# Altium PCB board_layout.pcbdoc (part 3 of 3)
Units mm, origin at the board's own origin, x right, y up, seen from the top; angles counter-clockwise.
Board outline 92.15 x 89.13 mm, 2 copper layers (Top Layer, Bottom Layer), stack 1.59 mm thick; 164 components, 134 nets, 736 pads, 476 vias.
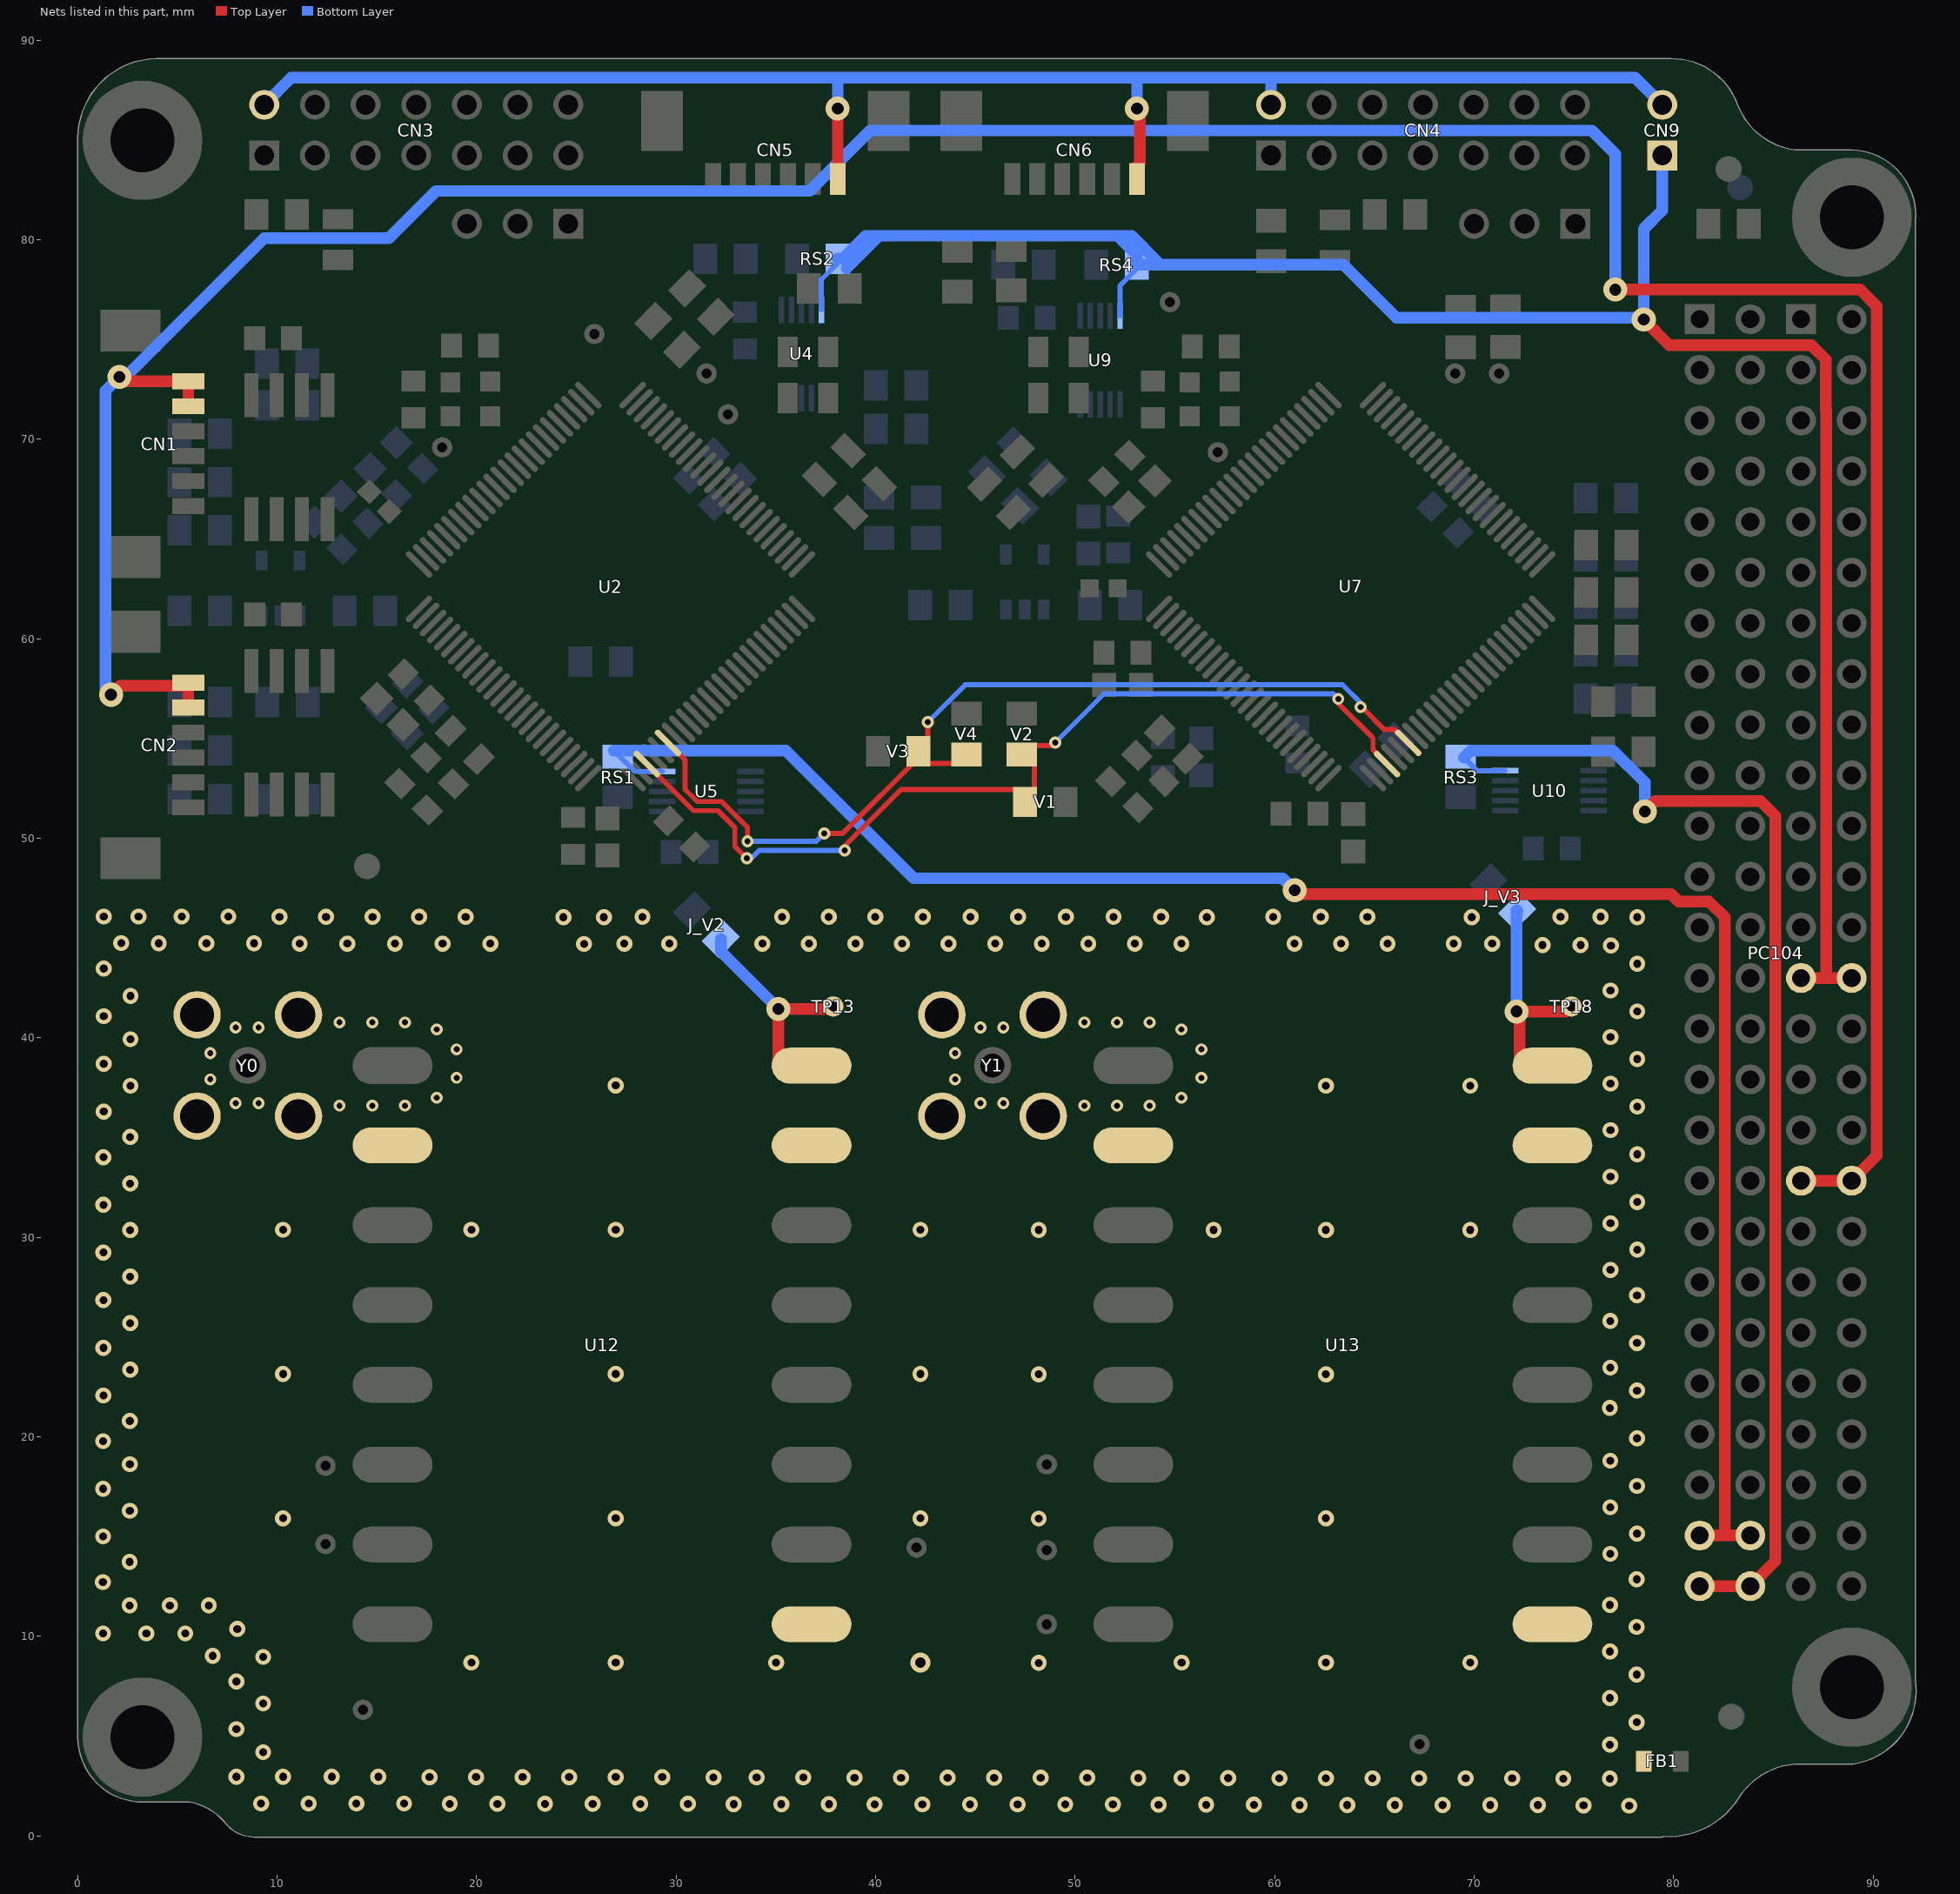
[diagram p3: the nets of this part, all layers, seen from the top]

## Via types
v1: diameter 0.8, hole 0.4, Top Layer to Bottom Layer, tented both sides, 278 vias
v2: diameter 0.6, hole 0.3, Top Layer to Bottom Layer, tented both sides, 181 vias
v3: diameter 1.2, hole 0.6, Top Layer to Bottom Layer, tented both sides, 10 vias
v4: diameter 0.8, hole 0.4, Top Layer to Bottom Layer, 5 vias
v5: diameter 1.016, hole 0.508, Top Layer to Bottom Layer, 1 vias
v6: diameter 0.8, hole 0.4, Top Layer to Bottom Layer, tented top, 1 vias

## Nets (pads, with @x,y where several pads share a name; then routed paths per layer and width w, separated by ;. In a path a pad name is that pad's centre, name@x,y a point inside that pad or via, vN(x,y) a via of type N, cw(c..) or ccw(c..) an arc to the next point about the centre after c; other vN are vias at no path point) (continued)
RF_GND: FB1.2 U12.2 U12.8 U12.15 U13.2 U13.8 U13.15 Y0.2 Y1.2
  other v1: 75.48,1.535 77.77,1.52 54.182,1.565 56.57,1.565 58.958,1.565 61.248,1.55 63.637,1.55 66.025,1.55 68.413,1.55 70.802,1.55 73.19,1.55 39.95,1.58 42.338,1.58 44.727,1.58 47.115,1.58 49.503,1.58 51.892,1.58 18.652,1.61 21.04,1.61 23.428,1.61 25.817,1.61 28.205,1.61 30.593,1.61 32.883,1.595 35.272,1.595 37.66,1.595 9.197,1.625 11.585,1.625 13.973,1.625 16.362,1.625 74.467,2.875 53.168,2.905 55.337,2.905 57.67,2.905 60.235,2.89 62.568,2.89 64.902,2.89 67.235,2.89 69.568,2.89 71.902,2.89 31.87,2.935 34.038,2.935 36.372,2.935 38.937,2.92 41.27,2.92 43.603,2.92 45.937,2.92 48.27,2.92 50.603,2.92 17.638,2.95 19.972,2.95 22.305,2.95 24.638,2.95 26.972,2.95 29.305,2.95 10.297,2.965 12.74,2.965 15.073,2.965 9.303,4.198 76.805,4.577 7.963,5.353 78.145,5.7 9.303,6.642 76.805,6.91 7.963,7.742 78.145,8.088 48.175,8.675 19.74,8.69 26.972,8.69 35.012,8.69 55.337,8.69 62.568,8.69 69.8,8.69 9.303,8.975 6.775,9.025 76.805,9.243 1.275,10.15 3.45,10.15 5.4,10.15 8,10.375 78.145,10.477 2.605,11.55 4.625,11.55 6.575,11.55 76.805,11.577 1.265,12.722 78.145,12.865 2.605,13.735 76.82,14.142 1.28,15.012 78.16,15.155 48.175,15.907 10.297,15.922 26.972,15.922 42.243,15.922 62.568,15.922 2.62,16.3 76.82,16.475 1.28,17.4 78.16,17.543 2.62,18.633 76.82,18.808 1.28,19.788 78.16,19.932 2.62,20.802 76.8,21.45 1.295,22.078 78.16,22.32 10.297,23.153 26.972,23.153 42.243,23.153 48.175,23.138 62.568,23.138 2.635,23.367 76.82,23.475 1.295,24.467 78.16,24.708 2.635,25.7 76.82,25.808 1.295,26.855 78.16,27.097 2.635,28.033 76.835,28.373 1.295,29.243 78.175,29.387 2.635,30.367 10.297,30.385 19.74,30.385 26.972,30.385 42.243,30.385 48.175,30.37 56.935,30.37 62.568,30.37 69.8,30.37 76.835,30.707 1.295,31.632 78.175,31.775 2.635,32.7 76.835,33.04 1.295,34.02 78.175,34.163 2.635,35.033 76.835,35.373 1.31,36.31 78.175,36.552 2.65,37.598 62.568,37.602 69.8,37.602 26.972,37.617 76.835,37.707 1.31,38.698 78.175,38.94 2.65,39.932 76.835,40.04 1.31,41.087 78.175,41.328 2.65,42.1 76.835,42.373 1.31,43.475 78.175,43.717 76.85,44.625 73.425,44.65 75.335,44.65 25.385,44.71 4.065,44.74 6.453,44.74 8.842,44.74 11.132,44.725 13.52,44.725 15.908,44.725 18.297,44.725 20.685,44.725 27.4,44.725 29.657,44.725 34.323,44.725 36.657,44.725 38.99,44.725 41.323,44.725 43.657,44.725 45.99,44.725 48.323,44.725 50.657,44.725 52.99,44.725 55.323,44.725 60.99,44.725 63.323,44.725 65.657,44.725 68.975,44.725 70.9,44.725 2.187,44.75 10.118,46.065 12.452,46.065 14.785,46.065 17.118,46.065 19.452,46.065 24.35,46.05 26.375,46.05 28.313,46.065 35.313,46.065 37.647,46.065 39.98,46.065 42.368,46.065 44.757,46.065 47.145,46.065 49.533,46.065 51.922,46.065 54.31,46.065 56.6,46.05 59.922,46.065 62.31,46.065 64.643,46.065 69.875,46.05 78.175,46.05 1.31,46.083 3.052,46.08 5.22,46.08 7.553,46.08 74.325,46.07 76.335,46.07
  other v2: 13.128,36.605 14.768,36.605 16.408,36.605 50.458,36.605 52.098,36.605 53.738,36.605 7.92,36.725 9.07,36.725 45.25,36.725 46.4,36.725 17.995,37 55.325,37 6.65,37.92 43.98,37.92 18.995,38 56.325,38 6.65,39.24 43.98,39.24 18.995,39.425 56.325,39.425 17.995,40.425 55.325,40.425 7.92,40.525 9.07,40.525 45.25,40.525 46.4,40.525 13.128,40.775 14.768,40.775 16.408,40.775 50.458,40.775 52.098,40.775 53.738,40.775
  other v4: 76.8,2.875 7.963,2.965
  other v5: 42.243,8.69
VCC_3V3_ANT: CN1.1 CN1.2 CN2.1 CN2.2 PC104.H2-35 PC104.H2-36 | length 174.7
  Top Layer w0.584: v3(1.675,57.2) 2.125,57.65 5.4,57.65 CN2.1@5.55,57.8 CN2.2@5.55,56.55 ; v3(2.1,73.125) 1.92,73.125 2.1,72.945 2.1,72.902 CN1.1@5.55,72.902 CN1.2@5.55,71.652 ; v3(77.075,77.5) 89.35,77.5 90.18,76.67 90.18,72.713 90.18,34.1 PC104.H2-36@88.92,32.84 PC104.H2-35@86.38,32.84
  Bottom Layer w0.254: PC104.H2-35@86.257,32.843 PC104.H2-35@86.39,32.843
  Bottom Layer w0.584: v3(1.675,57.2) 1.402,57.473 1.402,72.427 v3(2.1,73.125) 2.4,73.125 9.35,80.075 15.6,80.075 17.97,82.445 36.7,82.445 39.73,85.475 42.45,85.475 75.9,85.475 77.075,84.3 v3(77.075,77.5)
VCC_3V3_JTAG: CN3.2 CN4.2 CN5.1 CN6.1 CN9.2 | length 82.7
  Top Layer w0.584: CN5.1@38.1,83.095 v3(38.1,86.575) ; CN6.1@53.1,83.095 53.1,83.7 53.25,83.85 53.25,86.425 v3(53.1,86.575)
  Bottom Layer w0.254: 53.05,88.125 53.1,88.075
  Bottom Layer w0.584: CN3.2@9.355,86.765 10.715,88.125 53.05,88.125 59.815,88.125 ; v3(38.1,86.575) 38.1,88.075 ; v3(53.1,86.575) 53.1,88.075 ; CN4.2@59.815,86.765 59.815,88.125 ; CN9.2@79.425,86.765 78.065,88.125 59.815,88.125
VCC_3V3_TTC: CN9.1 PC104.H2-27 PC104.H2-28 RS2.2 RS4.2 U4.10 U9.10 | length 105.7
  Top Layer w0.584: v3(78.5,76) 79.775,74.725 86.896,74.725 87.625,73.996 87.625,71.456 87.64,71.441 87.64,70.475 87.64,43.01 87.65,43 ; PC104.H2-27@86.38,43 87.65,43 ; PC104.H2-28@88.92,43 87.65,43
  Bottom Layer w0.254: U4.10@37.275,76.488 37.275,78 38.091,78.816 RS2.2@38.091,79.05 ; U9.10@52.25,76.188 52.25,77.7 53.091,78.541 RS4.2@53.091,78.75
  Bottom Layer w0.584: RS2.2@38.091,79.05 38.35,79.05 39.5,80.2 52.125,80.2 ; RS2.2@38.541,78.575 40.158,80.192 ; 54.141,78.884 52.825,80.2 52.125,80.2 ; CN9.1@79.425,84.225 79.425,81.475 78.5,80.55 v3(78.5,76) 78.405,76.095 66.105,76.095 63.45,78.75 RS4.2@53.091,78.75 53.091,79.234 52.125,80.2
VCC_5V_RA_0: PC104.H1-49 PC104.H1-50 RS1.2 U5.10 | length 95.5
  Top Layer w0.584: v3(61,47.4) 61.195,47.205 79.874,47.205 80.244,46.835 81.766,46.835 82.56,46.041 82.56,15.07 82.57,15.06 ; PC104.H1-49@81.3,15.06 82.57,15.06 ; PC104.H1-50@83.84,15.06 82.57,15.06
  Bottom Layer w0.254: RS1.2@26.875,54.4 27.925,53.35 U5.10@29.312,53.35
  Bottom Layer w0.584: RS1.2@26.875,54.4 35.5,54.4 41.9,48 60.4,48 v3(61,47.4)
VCC_6V_RA_1: PC104.H1-51 PC104.H1-52 RS3.2 U10.10 | length 62.4
  Top Layer w0.584: v3(78.55,51.35) 79.065,51.865 84.356,51.865 85.1,51.121 85.1,50.925 85.1,13.78 PC104.H1-52@83.84,12.52 PC104.H1-51@81.3,12.52
  Bottom Layer w0.254: RS3.2@69.48,54.046 70.135,53.39 U10.10@71.556,53.39
  Bottom Layer w0.584: RS3.2@69.48,54.046 69.831,54.397 76.953,54.397 78.55,52.8 v3(78.55,51.35)
VCC_RA_0: J_V2.1 TP13.1 U12.1 | length 11.9
  Top Layer w0.254: U12.1@35.1,38.875 35.365,38.61 U12.1@36.79,38.61 ; TP13.1@37.75,41.45 TP13.1@37.875,41.575
  Top Layer w0.584: U12.1@35.1,38.875 35.125,38.9 v3(35.125,41.45) TP13.1@37.75,41.45
  Bottom Layer w0.584: J_V2.1@32.243,44.957 32.243,44.332 v3(35.125,41.45)
VCC_RA_1: J_V3.1 TP18.1 U13.1 | length 12.5
  Top Layer w0.584: U13.1@73.92,38.61 72.275,38.61 72.275,41.175 v3(72.125,41.325) 74.575,41.325 TP18.1@74.875,41.625
  Bottom Layer w0.584: v3(72.125,41.325) 72.125,46.409 J_V3.1@72.178,46.357
VERSION_BIT0: U2.28 U7.28 V1.1 V2.2 | length 48.7
  Top Layer w0.254: U2.28@28.531,53.722 30.865,51.388 32.095,51.388 32.945,50.538 32.945,49.589 33.534,49 v2(33.55,49) ; v2(38.45,49.4) 38.45,49.625 41.275,52.45 47.1,52.45 47.331,52.219 47.331,51.981 V1.1@47.487,51.825 47.95,51.362 V2.2@47.95,54.209 ; V2.2@47.325,54.209 V2.2@47.95,54.209 ; v2(49,54.8) 48.85,54.65 47.95,54.65 V2.2@47.95,54.209 ; v2(63.187,56.988) 63.187,56.763 64.925,55.025 64.925,54.447 65.63,53.742 U7.28@65.63,53.722
  Bottom Layer w0.254: v2(33.55,49) 33.775,49 34.168,49.393 37.214,49.393 37.221,49.4 v2(38.45,49.4) ; v2(49,54.8) 51.447,57.247 62.928,57.247 v2(63.187,56.988)
VERSION_BIT1: U2.31 U7.31 V3.1 V4.2 | length 49.8
  Top Layer w0.254: v2(33.575,49.85) 33.575,50.554 32.284,51.845 31.054,51.845 30.45,52.449 30.45,53.924 30.231,54.143 ; v2(37.425,50.25) 38.35,50.25 42.141,54.041 V3.1@42.141,54.371 42.616,54.846 v2(42.616,55.825) ; V3.1@42.616,54.321 42.296,54.216 42.296,54.004 42.55,53.75 44.091,53.75 V4.2@44.55,54.209 ; v2(64.303,56.578) 64.368,56.578 65.495,55.45 66.023,55.45 U7.31@66.69,54.782 ; 30.231,54.143 U2.31@29.591,54.782 29.619,54.782 30.231,54.171 30.231,54.143
  Bottom Layer w0.254: v2(33.575,49.85) 37.025,49.85 v2(37.425,50.25) ; v2(42.616,55.825) 44.495,57.704 63.396,57.704 64.303,56.797 v2(64.303,56.578)
pads on no net: CN1.0 CN2.0 CN3.3 CN3.4 CN3.5 CN3.6 CN3.8 CN3.10 CN3.11 CN3.13 CN4.3 CN4.4 CN4.5 CN4.6 CN4.8 CN4.10 CN4.11 CN4.13 CN5.0 CN6.0 FD1.FD0 FD2.FD0 FD3.FD0 FD4.FD0 FD5.FD0 FD6.FD0 MEC1.0 MEC2.0 MEC3.0 PC104.H1-1 PC104.H1-2 PC104.H1-3 PC104.H1-4 PC104.H1-5 PC104.H1-6 PC104.H1-8 PC104.H1-11 PC104.H1-13 PC104.H1-14 PC104.H1-15 PC104.H1-16 PC104.H1-18 PC104.H1-21 PC104.H1-22 PC104.H1-23 PC104.H1-24 PC104.H1-25 PC104.H1-26 PC104.H1-27 PC104.H1-28 PC104.H1-33 PC104.H1-34 PC104.H1-36 PC104.H1-38 PC104.H1-41 PC104.H1-42 PC104.H1-43 PC104.H1-44 PC104.H1-45 PC104.H1-46 PC104.H1-47 PC104.H1-48 PC104.H2-1 PC104.H2-2 PC104.H2-3 PC104.H2-4 PC104.H2-6 PC104.H2-9 PC104.H2-10 PC104.H2-15 PC104.H2-16 PC104.H2-17 PC104.H2-19 PC104.H2-21 PC104.H2-23 PC104.H2-24 PC104.H2-25 PC104.H2-26 PC104.H2-33 PC104.H2-34 PC104.H2-37 PC104.H2-38 PC104.H2-39 PC104.H2-40 PC104.H2-41 PC104.H2-43 PC104.H2-44 PC104.H2-45 PC104.H2-46 PC104.H2-47 PC104.H2-48 PC104.H2-49 PC104.H2-50 PC104.H2-51 PC104.H2-52 U2.1 U2.2 U2.3 U2.4 U2.5 U2.6 U2.7 U2.8 U2.16 U2.23 U2.24 U2.29 U2.30 U2.32 U2.33 U2.34 U2.36 U2.37 U2.38 U2.39 U2.40 U2.41 U2.58 U2.59 U2.62 U2.76 U2.77 U2.78 U2.79 U2.80 U2.81 U2.82 U2.86 U2.87 U2.92 U2.93 U2.94 U2.95 U2.99 U2.100 U4.3 U7.3 U7.4 U7.5 U7.6 U7.7 U7.8 U7.16 U7.23 U7.24 U7.29 U7.30 U7.32 U7.33 U7.34 U7.36 U7.37 U7.38 U7.39 U7.40 U7.41 U7.49 U7.50 U7.51 U7.52 U7.58 U7.59 U7.62 U7.76 U7.77 U7.78 U7.79 U7.80 U7.81 U7.82 U7.86 U7.87 U7.92 U7.93 U7.94 U7.95 U9.3 U12.3 U12.4 U12.14 U13.3 U13.4 U13.14
copper on no net: | length 16.6
  Top Layer w0.2: 1.725,79.35 1.9,79.35 ; 1.725,80.175 1.9,80.35 1.9,79.35 ; 2.075,79.35 1.9,79.35 ; 1.125,79.05 2.625,79.05 2.625,80.65 1.125,80.65 1.125,79.05
  Bottom Layer w0.2: 3.425,80.175 3.6,80.35 3.925,80.35 4.075,80.2 4.075,80 3.425,79.35 4.075,79.35 ; 3.025,79.05 4.525,79.05 4.525,80.65 3.025,80.65 3.025,79.05

## Polygon pours and split planes (outlines as drawn)
GND on Bottom Layer "Bottom Layer-GND" (solid, pour order 77): 79.65,47.693 79.672,-0.026 ccw(c79.614,4.421) 83.378,2.052 ccw(c83.3,2.103) 83.386,2.066 cw(c86.386,0.141) 86.378,3.706 88.576,3.706 ccw(c88.577,7.256) 92.127,7.238 ccw(c92.011,7.281) 92.134,7.282 92.134,81.119 ccw(c89.933,81.172) 92.135,81.183 ccw(c88.784,81.182) 88.847,84.533 86.466,84.533 cw(c86.509,88.098) 83.212,86.742 ccw(c83.103,86.723) 83.205,86.764 83.077,87.101 ccw(c80.159,85.985) 80.118,89.108 3.931,89.108 ccw(c4.046,85.032) -0.026,84.814 -0.026,47.693
RF_GND on Bottom Layer "Bottom Layer-RF_GND" (solid, pour order 53): 78.8,-0.028 78.8,46.7 0.028,46.7 0.028,4.991 ccw(c3.275,4.975) 3.371,1.729 5.239,1.729 cw(c5.181,-1.198) 7.329,0.791 ccw(c8.979,2.043) 9.028,-0.028
RA_1_VREF_MCU on Bottom Layer "Bottom Layer-RA_1_VREF_MCU 4" (solid, pour order 69): 57.075,54.35 53.65,54.35 53.65,56.975 57.075,56.975
RA_0_VREF_MCU on Bottom Layer "Bottom Layer-RA_0_VREF_MCU_5" (solid, pour order 73): 19.495,56.395 19.05,55.95 18.525,55.95 16.763,54.188 15.4,55.55 18.6,58.75 18.6,59.125 18.95,59.125 19.525,58.55 19.525,57.5
no net on Bottom Layer "Bottom Layer-No Net 4" (solid, pour order 97): 19.55,56.375
RA_1_VREF_MCU on Bottom Layer "Bottom Layer-RA_1_VREF_MCU 3" (solid, pour order 67): 48.75,63.675 48.75,64.425 49.7,65.375 54.4,65.375 54.4,66.025 53.275,67.15 50,67.15 47.2,64.35 47.2,63.675
RA_0_VREF_MCU on Bottom Layer "Bottom Layer-RA_0_VREF_MCU 2" (solid, pour order 65): 27.725,49.6 27.725,50.875 28.325,51.475 30.25,51.475 30.75,50.975 30.75,48.607 31.228,48.128 30.212,47.113
no net on Bottom Layer "Bottom Layer-No Net" (solid, pour order 95): 27.625,50.25
no net on Bottom Layer "Bottom Layer-No Net 1" (solid, pour order 93): 30.025,48.15
no net on Bottom Layer "Bottom Layer-No Net 2" (solid, pour order 91): 30.275,48.05
RA_0_VREF_MCU on Bottom Layer "Bottom Layer-RA_0_VREF_MCU 1" (solid, pour order 61): 10.582,63.293 13.713,63.288 14.791,64.366 11.766,67.391 10.175,65.8 10.175,63.7
RA_0_VREF_MCU on Bottom Layer "Bottom Layer-RA_0_VREF_MCU" (solid, pour order 75): 32.85,75.85 30.218,78.482 29.468,78.482 28.675,79.275 29.342,79.942 32.133,79.942 32.65,79.425 32.65,78.075 34.625,78.075 35.425,77.275 35.425,75.85
RA_1_VREF_MCU on Bottom Layer "Bottom Layer-RA_1_VREF_MCU 2" (solid, pour order 59): 68.016,65.309 70.801,68.093 70.801,69.747 68.447,69.747 66.012,67.312
RA_1_VREF_MCU on Bottom Layer "Bottom Layer-RA_1_VREF_MCU" (solid, pour order 71): 6.5,51.175 6.5,57.915 7.385,58.8 9.125,58.8 10.2,57.725 10.2,51.175
RA_1_VREF_MCU on Bottom Layer "Bottom Layer-RA_1_VREF_MCU 1" (solid, pour order 57): 50.55,74.9 48.3,74.9 47.5,75.7 47.5,77.125 46.425,78.2 46.425,79.5 47.45,79.5 47.45,77.875 47.75,77.575 49.075,77.575 49.075,77.1 49.475,76.7 50.4,76.7 50.4,75.525 50.55,75.375
GND on Top Layer "Top Layer-GND" (solid, remove dead copper, pour order 89): 79.65,47.693 79.672,-0.026 ccw(c79.614,4.421) 83.378,2.052 ccw(c83.3,2.103) 83.386,2.066 cw(c86.386,0.141) 86.378,3.706 88.576,3.706 ccw(c88.577,7.256) 92.127,7.238 ccw(c92.011,7.281) 92.134,7.282 92.134,81.119 ccw(c89.933,81.172) 92.135,81.183 ccw(c88.784,81.182) 88.847,84.533 86.466,84.533 cw(c86.509,88.098) 83.212,86.742 ccw(c83.103,86.723) 83.205,86.764 83.077,87.101 ccw(c80.159,85.985) 80.118,89.108 3.931,89.108 ccw(c4.046,85.032) -0.026,84.814 -0.026,47.693
RF_GND on Top Layer "Top Layer-RF_GND" (solid, pour order 44): 78.8,-0.028 78.8,46.7 0.028,46.7 0.028,4.991 ccw(c3.275,4.975) 3.371,1.729 5.239,1.729 cw(c5.181,-1.198) 7.329,0.791 ccw(c8.979,2.043) 9.028,-0.028
RA_0_VREF_MCU on Top Layer "Top Layer-RA_0_VREF_MCU 1" (solid, pour order 85): 18.5,57.025 19.9,57.025 20.275,57.4 20.125,57.55 19.725,57.55 19.525,57.75 19.525,58 18.337,59.187 15.15,56 16.312,54.837
RA_0_VREF_MCU on Top Layer "Top Layer-RA_0_VREF_MCU" (solid, pour order 83): 28.275,49.55 28.45,49.725 28.45,50.2 27.45,51.2 27.456,51.631 26.584,52.503 26.584,55.034 27.862,56.312 27.6,56.575 27.1,56.575 26.9,56.375 26.9,55.875 25.612,54.588 26.05,54.15 26.05,53.775 25.375,53.075 24.05,51.75 24.05,50.375 26.9,50.375 27.725,49.55
RA_1_VREF_MCU on Top Layer "Top Layer-RA_1_VREF_MCU 2" (solid, pour order 79): 54.375,65.6 57.275,68.5 56.825,68.5 54.975,70.35 52.575,70.35 51.455,69.23 51.455,68.945 53.7,66.7 53.7,65.752
RA_1_VREF_MCU on Top Layer "Top Layer-RA_1_VREF_MCU 1" (solid, pour order 87): 61.625,50.625 61.625,52.15 63.15,53.675 63.7,53.675 66.262,51.112 66.025,50.875 65.075,50.875 64.825,50.625
RA_1_VREF_MCU on Top Layer "Top Layer-RA_1_VREF_MCU" (solid, pour order 81): 56.05,56.1 55.25,56.1 54.3,57.05 52.475,57.05 52.475,60.15 53.925,60.15 57,57.075 57,57.05
ESD on Top Layer "Top Layer-ESD" (solid, pour order 42): 83.18,84.505 83.18,80.025 84.945,80.025 86.949,78.021 92.114,78.021 92.114,81.461 89.07,84.505

## Keep-outs
Keep-Out Layer:
  lines w0.2: 1.125,79.05 4.425,79.05 4.425,80.65 1.125,80.65 1.125,79.05
  lines w0.254: 0.134,85.078 0.134,4.928 ccw(c3.259,4.953) 3.284,1.828 5.609,1.828 cw(c5.115,-1.211) 7.566,0.653 ccw(c8.839,1.762) 8.859,0.074 79.382,0.074 ; 0.138,85.001 cw(c4.013,85.078) 3.936,88.952 ; 3.959,88.953 79.859,88.953 cw(c79.912,85.581) 83.084,86.728 ccw(c86.54,88.048) 86.071,84.378 88.909,84.378 cw(c88.837,81.206) 92.009,81.133 ; 79.411,0.103 ccw(c79.724,4.16) 83.159,1.978 cw(c86.356,-0.046) 86.084,3.728 88.984,3.728 ccw(c88.451,7.264) 91.987,7.798 91.987,81.206

## Other copper
Top Layer:
  text "'.Layer_Name'" at 159.261,-31.738 h2.5
Bottom Layer:
  text "'.Layer_Name'" at 159.261,-31.738 h2.5

## Silkscreen, mask and mechanical layers (free items; w line width, h text height)
Top Overlay:
  drawing of 982 lines, arcs and shapes, not listed
  text "JTAG0" at 27.15,82.375 h0.81
  text "JTAG1" at 53.95,82.375 h0.81
  text "GND" at 31.4,81.821 h0.81 r270
  text "RX" at 32.72,81.821 h0.81 r270
  text "TX" at 33.971,81.821 h0.81 r270
  text "TCK" at 35.223,81.821 h0.81 r270
  text "TDO" at 36.474,81.821 h0.81 r270
  text "VCC" at 37.725,81.821 h0.81 r270
  text "RX" at 47.67,81.821 h0.81 r270
  text "TX" at 48.921,81.821 h0.81 r270
  text "TCK" at 50.173,81.821 h0.81 r270
  text "TDO" at 51.424,81.821 h0.81 r270
  text "VCC" at 52.675,81.821 h0.81 r270
  text "GND" at 44.975,81.008 h0.81
  text "GND" at 18.325,78.3 h0.81
  text "RX" at 21.375,78.3 h0.81
  text "TX" at 23.875,78.3 h0.81
  text "GND" at 69.05,78.325 h0.81
  text "RX" at 72.1,78.325 h0.81
  text "TX" at 74.6,78.325 h0.81
  text "3V3R0" at 7.925,78.25 h0.81
  text "3V3R1" at 62.225,76.925 h0.81
  text "GND" at 13.95,76.25 h0.81
  text "ANT0" at 4.633,75.752 h0.81
  text "DOWN" at 38.6,74.45 h0.81
  text "DOWN" at 44.175,74.45 h0.81
  text "VCC" at 5.175,73.783 h0.81
  text "SDA" at 6.775,72.283 h0.81 r270
  text "UP" at 38.6,72.225 h0.81
  text "UP" at 45.8,72.225 h0.81
  text "SYS" at 44.175,71 h0.81 r315
  text "SYS" at 40.025,69.475 h0.81 r45
  text "SCL" at 6.775,69.333 h0.81 r270
  text "FAULT" at 43.35,67 h0.81 r315
  text "GND" at 5.175,64.983 h0.81
  text "FAULT" at 39.65,64.35 h0.81 r45
  text "ANT1" at 4.633,60.65 h0.81
  text "VCC" at 5.175,58.675 h0.81
  text "SDA" at 6.775,57.175 h0.81 r270
  text "SCL" at 6.775,54.225 h0.81 r270
  text "MCU_RA0" at 29.55,51.8 h0.81 r45
  text "MCU_RA1" at 66.65,51.775 h0.81 r45
  text "GND" at 5.175,49.875 h0.81
  text "GND" at 18.775,48.65 h0.81
  text "RADIO 0" at 23.1,44.575 h0.81
  text "RADIO 1" at 61,44.575 h0.81
  text "GND" at 91.5,39.13 h0.75 r90
  text "GND" at 79.52,38.99 h0.75 r90
  text "TTC2 v0.1" at 11.118,11.971 h0.81 r90
  text "RF_GND" at 43.25,8.3 h0.81
  text "GND" at 81.2,7.825 h0.81
  text "RF_GND" at 9.05,2.55 h0.81
  text "RF_GND" at 71.3,2.45 h0.81
  text "'.Layer_Name'" at 159.261,-31.738 h2.5
Bottom Overlay:
  circle w0.254: c11.5,3.765 r0.785
  circle w0.254: c11.5,3.765 r0.035
  region: 11,5.79 11.5,6.29 12,5.79
  region: 13.525,4.265 14.025,3.765 13.525,3.265
  lines w0.2: 74.25,88.225 80.725,88.225 ; 80.725,88.225 80.725,82.7 76.95,82.7 68.1,82.7 58.45,82.7 58.45,88.225 80.725,88.225 ; 7.99,82.7 7.99,88.225 23.79,88.225 26.175,88.225 26.175,82.7 17.64,82.7 7.99,82.7 ; 18.15,79.55 26.15,79.55 26.15,82.075 18.15,82.075 18.15,79.55 ; 68.575,79.55 68.575,82.075 76.525,82.075 76.525,79.55 68.575,79.55
  lines w0.254: 11,5.915 11.5,6.415 ; 11.5,4.55 11.5,6.415 ; 12,5.915 11.5,6.415 ; 12.285,3.765 14.15,3.765 ; 13.65,3.265 14.15,3.765 ; 13.65,4.265 14.15,3.765 ; 70.1,72.075 85.31,72.075 ; 78.875,66.95 82.7,66.95 ; 78.88,51.7 82.805,51.7 84.93,51.7 84.93,54.04 84.93,54.275 82.805,54.275 82.805,51.765 ; 86.328,83.193 ccw(c88.925,81.132) 89.207,77.829 ; 82.7,66.95 82.7,62.265 84.925,62.265 84.925,66.95 82.7,66.95 ; 85.31,72.075 87.46,72.075 87.46,67.31 85.31,67.31 85.31,72.075 ; 4.225,34.325 4.225,42.9 12.9,42.9 12.9,34.325 4.225,34.325 ; 41.555,34.325 50.23,34.325 50.23,42.9 41.555,42.9 41.555,34.325 ; 80.18,52.15 80.18,56.815 82.355,56.815 82.355,52.15 80.18,52.15 ; 80.25,26.645 80.25,33.925 82.375,33.925 82.375,28.87 84.85,28.87 84.85,26.645 80.25,26.645 ; 80.28,11.445 80.28,13.595 84.855,13.595 84.855,11.445 80.28,11.445 ; 80.28,13.985 80.28,16.135 84.855,16.135 84.855,13.985 80.28,13.985 ; 80.28,36.565 80.28,41.515 89.93,41.515 89.93,36.565 80.28,36.565 ; 85.33,31.725 89.93,31.725 89.93,33.95 85.33,33.95 85.33,31.725 ; 85.33,41.885 85.33,44.11 89.93,44.11 89.93,41.885 85.33,41.885 ; 85.33,59.715 89.93,59.715 89.93,64.39 85.33,64.39 85.33,59.715 ; 87.825,24.14 87.825,26.325 89.955,26.325 89.955,24.14 87.825,24.14 ; 87.85,67.31 87.85,69.5 90,69.5 90,67.31 87.85,67.31 ; 87.855,49.475 90.03,49.475 90.03,56.79 87.855,56.79 87.855,49.475
  text "RADIO0" at 27.55,87.775 h0.81 r90
  text "VCC_JTAG" at 7.475,87.625 h0.81 r90
  text "JUMPER" at 81.95,87.625 h0.81 r90
  text "JTAG" at 78.025,86.9 h0.81 r90
  text "VCC_JTAG" at 57.875,86.425 h0.81
  text "TDO_TDI" at 57.875,83.7 h0.81
  text "TDO_TDI" at 9.675,82.35 h0.81 r90
  text "TCK" at 67.625,82.225 h0.81 r90
  text "TCK" at 17.15,82.15 h0.81 r90
  text "VCC" at 80.675,81.475 h0.81
  text "RADIO1" at 62.625,81.325 h0.81
  text "EARTH/GND" at 85.375,79.05 h0.81
  text "GND" at 20.5,78.3 h0.81
  text "GND" at 70.775,78.3 h0.81
  text "RX" at 72.925,78.275 h0.81
  text "TX" at 75.25,78.275 h0.81
  text "RX" at 22.7,78.25 h0.81
  text "TX" at 25.425,78.25 h0.81
  text "ESD INTERFACE" at 86.1,77.8 h0.81
  text "TP8" at 69.5,76.55 h0.81 r90
  text "TP7" at 71.75,76.55 h0.81 r90
  text "TP6" at 58,76.4 h0.81
  text "GND" at 15.875,75.625 h0.81
  text "TP2" at 25.025,74.825 h0.81
  text "ADD_GPIO5" at 91.405,74.45 h0.81 r90
  text "TP4" at 30.65,72.9 h0.81
  text "TP3" at 31.725,70.825 h0.81
  text "RA1_EPS_UART" at 79.475,70.825 h0.81
  text "TP1" at 21.125,69.225 h0.81
  text "TP5" at 56.25,68.95 h0.81
  text "RADIOS_EN" at 79.7,66.5 h0.81 r90
  text "RA1_OBDH_SPI" at 91.405,66.35 h0.81 r90
  text "GND" at 62.85,61.625 h0.81
  text "ADD_UART" at 79.7,58.525 h0.81 r90
  text "ADD_GPIO" at 91.405,55.99 h0.81 r90
  text "ADD_GPIO4" at 79.7,51.225 h0.81 r90
  text "GND" at 22.325,49.9 h0.81
  text "VCC_TTC" at 91.405,47.165 h0.81 r90
  text "TP13" at 36.525,41.1 h0.81
  text "TP18" at 73.55,41.075 h0.81
  text "GND" at 79.615,40.09 h0.81 r90
  text "GND" at 91.54,40.09 h0.81 r90
  text "VCC_ANT" at 91.405,35.465 h0.81 r90
  text "RA0_OBDH_SPI" at 79.7,34.8 h0.81 r90
  text "MCX_RA0" at 11.125,32.9 h0.81
  text "MCX_RA1" at 48.375,32.9 h0.81
  text "ADD_GPIO3" at 91.405,28.85 h0.81 r90
  text "TP14" at 52.825,18.325 h0.81
  text "TP9" at 15.873,18.125 h0.81
  text "VCC_RA0" at 79.675,14.625 h0.81
  text "TP10" at 16.55,14.2 h0.81
  text "TP12" at 40.625,14.025 h0.81
  text "TP15" at 52.825,13.95 h0.81
  text "VCC_RA1" at 79.675,12.075 h0.81
  text "TP16" at 52.825,10.225 h0.81
  text "RF_GND" at 40.925,8.4 h0.81
  text "GND" at 83.35,7.825 h0.81
  text "+Y" at 12.1,7.115 h0.81
  text "TP11" at 18.125,5.9 h0.81
  text "TP17" at 66.25,4.225 h0.81
  text "+X" at 15.9,3.365 h0.81
  text "RF_GND" at 75.875,2.425 h0.81
  text "-Z" at 10.5,2.19 h0.81
  text "'.Layer_Name'" at 159.261,-31.738 h2.5
Top Paste:
  text "'.Layer_Name'" at 159.261,-31.738 h2.5
Bottom Paste:
  text "'.Layer_Name'" at 159.261,-31.738 h2.5
Top Solder:
  rectangle: 0.925,78.85 4.625,80.85
  lines w0.2: 0.925,79.05 ccw(c1.125,79.05) 1.125,78.85 4.425,78.85 ccw(c4.425,79.05) 4.625,79.05 4.625,80.65 ccw(c4.425,80.65) 4.425,80.85 1.125,80.85 ccw(c1.125,80.65) 0.925,80.65 0.925,79.05
  text "'.Layer_Name'" at 159.261,-31.738 h2.5
Bottom Solder:
  rectangle: 0.925,78.85 4.625,80.85
  lines w0.2: 0.925,79.05 ccw(c1.125,79.05) 1.125,78.85 4.425,78.85 ccw(c4.425,79.05) 4.625,79.05 4.625,80.65 ccw(c4.425,80.65) 4.425,80.85 1.125,80.85 ccw(c1.125,80.65) 0.925,80.65 0.925,79.05
  text "'.Layer_Name'" at 159.261,-31.738 h2.5
Drill Guide:
  text "'.Layer_Name'" at 159.261,-31.738 h2.5
3D Body:
  text "'.Layer_Name'" at 159.291,-31.783 h2.5
Dimension:
  text "'.Layer_Name'" at 159.261,-31.738 h2.5
Board Edge:
  lines w0.254: 7.384,0.884 ccw(c8.933,2.058) 8.98,0.115 79.621,0.115 ; 7.409,0.865 ccw(c5.172,-1.113) 5.23,1.872 3.322,1.872 cw(c3.229,4.99) 0.109,5.006 0.109,84.831 cw(c4.053,85.045) 3.943,88.994 80.126,88.994 cw(c80.166,85.998) 82.965,87.069 83.094,86.732 ; 79.73,0.115 ccw(c79.621,4.435) 83.278,2.133 ; 83.077,86.769 ccw(c86.516,88.112) 86.473,84.419 88.855,84.419 cw(c88.792,81.197) 92.015,81.134 92.015,7.295 ; 83.261,2.109 cw(c86.394,0.154) 86.386,3.846 88.584,3.846 ; 88.577,3.846 ccw(c88.584,7.269) 92.007,7.295
  text "'.Layer_Name'" at 175.425,-31.85 h2.5
ASM Bottom:
  text "'.Layer_Name'" at 159.291,-31.733 h2.5
ASM Top:
  lines w0.1: 80.035,11.148 90.22,11.148 90.22,77.498 80.035,77.498
  text "'.Layer_Name'" at 159.261,-31.738 h2.5
Sheet:
  drawing of 229 lines, arcs and shapes, not listed
  text "1" at -9.565,141.377 h1.78
  text "2" at 63.079,141.377 h1.78
  text "3" at 136.231,141.377 h1.78
  text "4" at 209.129,141.377 h1.78
  text "A" at -43.906,118.365 h1.78
  text "A" at 243.114,118.365 h1.78
  text "Layer" at 112.41,84.053 h0.81
  text "Name" at 118.2,84.053 h0.81
  text "Material" at 131.032,84.053 h0.81
  text "Thickness" at 142.916,84.053 h0.81
  text "Constant" at 151.956,84.053 h0.81
  text "Board Layer Stack" at 159.913,84.053 h0.81
  text "1" at 112.41,82.427 h0.81
  text "Top Overlay" at 118.2,82.427 h0.81
  text "2" at 112.41,80.802 h0.81
  text "Top Solder" at 118.2,80.802 h0.81
  text "Solder Resist" at 131.032,80.802 h0.81
  text "0.010mm" at 142.916,80.802 h0.81
  text "3.5" at 151.956,80.802 h0.81
  text "3" at 112.41,79.176 h0.81
  text "Top Layer" at 118.2,79.176 h0.81
  text "Copper" at 131.032,79.176 h0.81
  text "0.035mm" at 142.916,79.176 h0.81
  text "4" at 112.41,77.551 h0.81
  text "Dielectric1" at 118.2,77.551 h0.81
  text "1.520mm" at 142.916,77.551 h0.81
  text "4.2" at 151.956,77.551 h0.81
  text "5" at 112.41,75.925 h0.81
  text "Bottom Layer" at 118.2,75.925 h0.81
  text "Copper" at 131.032,75.925 h0.81
  text "0.035mm" at 142.916,75.925 h0.81
  text "6" at 112.41,74.299 h0.81
  text "Bottom Solder" at 118.2,74.299 h0.81
  text "Solder Resist" at 131.032,74.299 h0.81
  text "0.010mm" at 142.916,74.299 h0.81
  text "3.5" at 151.956,74.299 h0.81
  text "7" at 112.41,72.674 h0.81
  text "Bottom Overlay" at 118.2,72.674 h0.81
  text "B" at -43.906,70.308 h1.78
  text "B" at 243.114,70.308 h1.78
  text "Fabrication specifications:" at 111.896,38.069 h3.1
  text "C" at -43.906,21.794 h1.78
  text "C" at 243.114,21.794 h1.78
  text "- Copper base 1OZ:  / - PCB Material: Prepeg FR4-Standard / - PCB Tickness: 1.6mm / - PCB Surface: HASL (with lead)" at 111.89,21.085 h1.73
  text "- Silkscreen Color: White (top and bottom) / - Soldermask Color: Blue / - Vias: Force Complete Tenting / - Special: Stack-up (herein included)" at 169.59,21.085 h1.73
  text "Assembly specifications:" at 112.171,15.089 h3.1
  text "- Solder composition: Include lead / - Fiducials: 3 top and 3 bottom avaliable / - Check BOM for not placed components" at 112.165,-1.905 h1.73
  text "SpaceLab - Federal University of Santa Catarina" at 152.189,-22.234 h2.5
  text "D" at -43.906,-26.212 h1.78
  text "D" at 243.114,-26.212 h1.78
  text "Project:" at 152.189,-26.734 h2.5
  text "TTC2" at 160.189,-26.734 h2.5
  text "Layer:" at 152.189,-31.734 h2.5
  text "Designed by:" at 152.189,-36.734 h2.5
  text "Project Code:" at 210.189,-36.734 h2.5
  text "TTC2" at 224.689,-36.734 h2.5
  text "Andre M. P. Mattos" at 166.115,-36.767 h2.5
  text "v0.1" at 190.215,-41.667 h2.5
  text "Date:" at 152.189,-41.734 h2.5
  text "'.Print_Date'" at 158.189,-41.734 h2.5
  text "Version:" at 181.189,-41.734 h2.5
  text "Size:" at 210.189,-41.734 h2.5
  text "A4" at 216.189,-41.734 h2.5
  text "1" at -9.565,-46.583 h1.78
  text "2" at 63.079,-46.583 h1.78
  text "3" at 136.231,-46.583 h1.78
  text "4" at 209.129,-46.583 h1.78
Drill Drawing:
  circle w0.254: c112.677,57.273 r0.219
  circle w0.254: c112.677,57.273 r0.365
  circle w0.254: c112.677,52.348 r0.365
  lines w0.254: 112.312,53.807 112.494,53.807 112.677,53.625 112.859,53.807 113.042,53.807 112.859,53.99 113.042,54.172 112.859,54.172 112.677,54.355 112.494,54.172 112.312,54.172 112.494,53.99 112.312,53.807 ; 112.312,55.267 113.042,55.267 113.042,55.996 112.312,55.996 112.312,55.267 ; 112.312,59.279 113.042,59.279 112.677,58.55 112.312,59.279 ; 112.312,60.191 112.677,60.374 113.042,60.191 112.859,60.556 113.042,60.921 112.677,60.739 112.312,60.921 112.494,60.556 112.312,60.191 ; 112.312,61.833 112.677,62.015 113.042,61.833 112.859,62.198 113.042,62.563 112.677,62.38 112.312,62.563 112.494,62.198 112.312,61.833 ; 112.312,64.204 113.042,64.204 112.677,63.475 112.312,64.204 ; 112.312,65.299 112.494,65.299 112.677,65.116 112.859,65.299 113.042,65.299 112.859,65.481 113.042,65.663 112.859,65.663 112.677,65.846 112.494,65.663 112.312,65.663 112.494,65.481 112.312,65.299 ; 112.458,53.88 112.567,53.88 112.677,53.771 112.786,53.88 112.896,53.88 112.786,53.99 112.896,54.099 112.786,54.099 112.677,54.209 112.567,54.099 112.458,54.099 112.567,53.99 112.458,53.88 ; 112.458,60.337 112.677,60.447 112.896,60.337 112.786,60.556 112.896,60.775 112.677,60.666 112.458,60.775 112.567,60.556 112.458,60.337 ; 112.458,64.058 112.896,64.058 112.677,63.62 112.458,64.058
  lines w0.381: 111.612,51.491 176.431,51.491 ; 111.612,66.265 176.431,66.265 ; 118.104,49.849 118.104,67.907 ; 124.958,49.849 124.958,67.907 ; 137.829,49.849 137.829,67.907 ; 143.827,49.849 143.827,67.907 ; 152.321,49.849 152.321,67.907 ; 169.021,49.849 169.021,67.907 ; 111.612,49.849 176.431,49.849 176.431,67.907 111.612,67.907 111.612,49.849
  text "Symbol" at 112.597,66.758 h0.79
  text "Count" at 118.596,66.758 h0.79
  text "Hole Size" at 125.45,66.758 h0.79
  text "Plated" at 138.321,66.758 h0.79
  text "Hole Type" at 144.32,66.758 h0.79
  text "Drill Layer Pair" at 152.813,66.758 h0.79
  text "Via/Pad" at 169.513,66.758 h0.79
  text "2" at 118.596,65.116 h0.66
  text "1.200mm (47.24mil)" at 125.45,65.116 h0.66
  text "PTH" at 138.321,65.116 h0.66
  text "Round" at 144.32,65.116 h0.66
  text "Top Layer - Bottom Layer" at 152.813,65.116 h0.66
  text "Pad" at 169.513,65.116 h0.66
  text "4" at 118.596,63.475 h0.66
  text "3.200mm (125.98mil)" at 125.45,63.475 h0.66
  text "PTH" at 138.321,63.475 h0.66
  text "Round" at 144.32,63.475 h0.66
  text "Top Layer - Bottom Layer" at 152.813,63.475 h0.66
  text "Pad" at 169.513,63.475 h0.66
  text "8" at 118.596,61.833 h0.66
  text "1.700mm (66.93mil)" at 125.45,61.833 h0.66
  text "PTH" at 138.321,61.833 h0.66
  text "Round" at 144.32,61.833 h0.66
  text "Top Layer - Bottom Layer" at 152.813,61.833 h0.66
  text "Pad" at 169.513,61.833 h0.66
  text "10" at 118.596,60.191 h0.66
  text "0.600mm (23.62mil)" at 125.45,60.191 h0.66
  text "PTH" at 138.321,60.191 h0.66
  text "Round" at 144.32,60.191 h0.66
  text "Top Layer - Bottom Layer" at 152.813,60.191 h0.66
  text "Via" at 169.513,60.191 h0.66
  text "19" at 118.596,58.55 h0.66
  text "0.508mm (20.00mil)" at 125.45,58.55 h0.66
  text "PTH" at 138.321,58.55 h0.66
  text "Round" at 144.32,58.55 h0.66
  text "Top Layer - Bottom Layer" at 152.813,58.55 h0.66
  text "(Mixed)" at 169.513,58.55 h0.66
  text "36" at 118.596,56.908 h0.66
  text "1.000mm (39.37mil)" at 125.45,56.908 h0.66
  text "PTH" at 138.321,56.908 h0.66
  text "Round" at 144.32,56.908 h0.66
  text "Top Layer - Bottom Layer" at 152.813,56.908 h0.66
  text "Pad" at 169.513,56.908 h0.66
  text "104" at 118.596,55.267 h0.66
  text "0.900mm (35.43mil)" at 125.45,55.267 h0.66
  text "PTH" at 138.321,55.267 h0.66
  text "Round" at 144.32,55.267 h0.66
  text "Top Layer - Bottom Layer" at 152.813,55.267 h0.66
  text "Pad" at 169.513,55.267 h0.66
  text "181" at 118.596,53.625 h0.66
  text "0.300mm (11.81mil)" at 125.45,53.625 h0.66
  text "PTH" at 138.321,53.625 h0.66
  text "Round" at 144.32,53.625 h0.66
  text "Top Layer - Bottom Layer" at 152.813,53.625 h0.66
  text "Via" at 169.513,53.625 h0.66
  text "284" at 118.596,51.983 h0.66
  text "0.400mm (15.75mil)" at 125.45,51.983 h0.66
  text "PTH" at 138.321,51.983 h0.66
  text "Round" at 144.32,51.983 h0.66
  text "Top Layer - Bottom Layer" at 152.813,51.983 h0.66
  text "Via" at 169.513,51.983 h0.66
  text "648 Total" at 118.596,50.342 h0.66
  text "'.Layer_Name'" at 159.261,-31.738 h2.5
  text "'.Layer_Name'" at 159.261,-31.738 h2.5

## Dimensions
88.764,3.701 to 92.303,81.132 on Dimension
74.21,-0.054 to 88.836,3.723 on Dimension
79.483,-0.03 to 92.132,7.544 on Dimension
0.005,4.715 to 92.132,5.565 on Dimension
8.73,-0.085 to 79.483,-0.03 on Dimension
0.005,4.715 to 8.73,-0.085 on Dimension
92.303,81.132 to 73.48,89.09 on Dimension
76.255,-0.06 to 73.48,89.09 on Dimension
88.912,84.505 to 92.255,89.09 on Dimension

## Text inside footprints (layer, text, board x,y; h text height)
PC104: Top Overlay "32" at 91.476,37.285 h0.75 r90; Top Overlay "24" at 91.476,47.445 h0.75 r90; Top Overlay "8" at 91.476,68.146 h0.75 r90; Top Overlay "1" at 86.45,78.05 h0.75; Top Overlay "2" at 91.406,75.723 h0.75 r90; Top Overlay "2" at 84.39,78.08 h0.75 r90; Top Overlay "1" at 79.5,76.02 h0.75 r90; Top Overlay "51" at 86.675,9.725 h0.75 r90; Top Overlay "52" at 84.3,9.425 h0.75 r90; Top Overlay "H2" at 85.975,78.125 h0.75 r90; Top Overlay "H1" at 80.85,78.05 h0.75 r90; Top Overlay "45" at 79.5,19.632 h0.75 r90; Top Overlay "39" at 79.5,27.379 h0.75 r90; Top Overlay "31" at 79.5,37.412 h0.75 r90; Top Overlay "23" at 79.5,47.572 h0.75 r90; Top Overlay "15" at 79.5,57.975 h0.75 r90; Top Overlay "7" at 79.5,68.273 h0.75 r90; Top Overlay "51" at 79.5,12.012 h0.75 r90; Top Overlay "52" at 91.476,11.885 h0.75 r90; Top Overlay "16" at 91.476,57.732 h0.75 r90; Top Overlay "40" at 91.476,27.252 h0.75 r90; Top Overlay "46" at 91.476,19.505 h0.75 r90